# KiCad board poly_kb_wave_right_before_mirroring.kicad_pcb (continued)
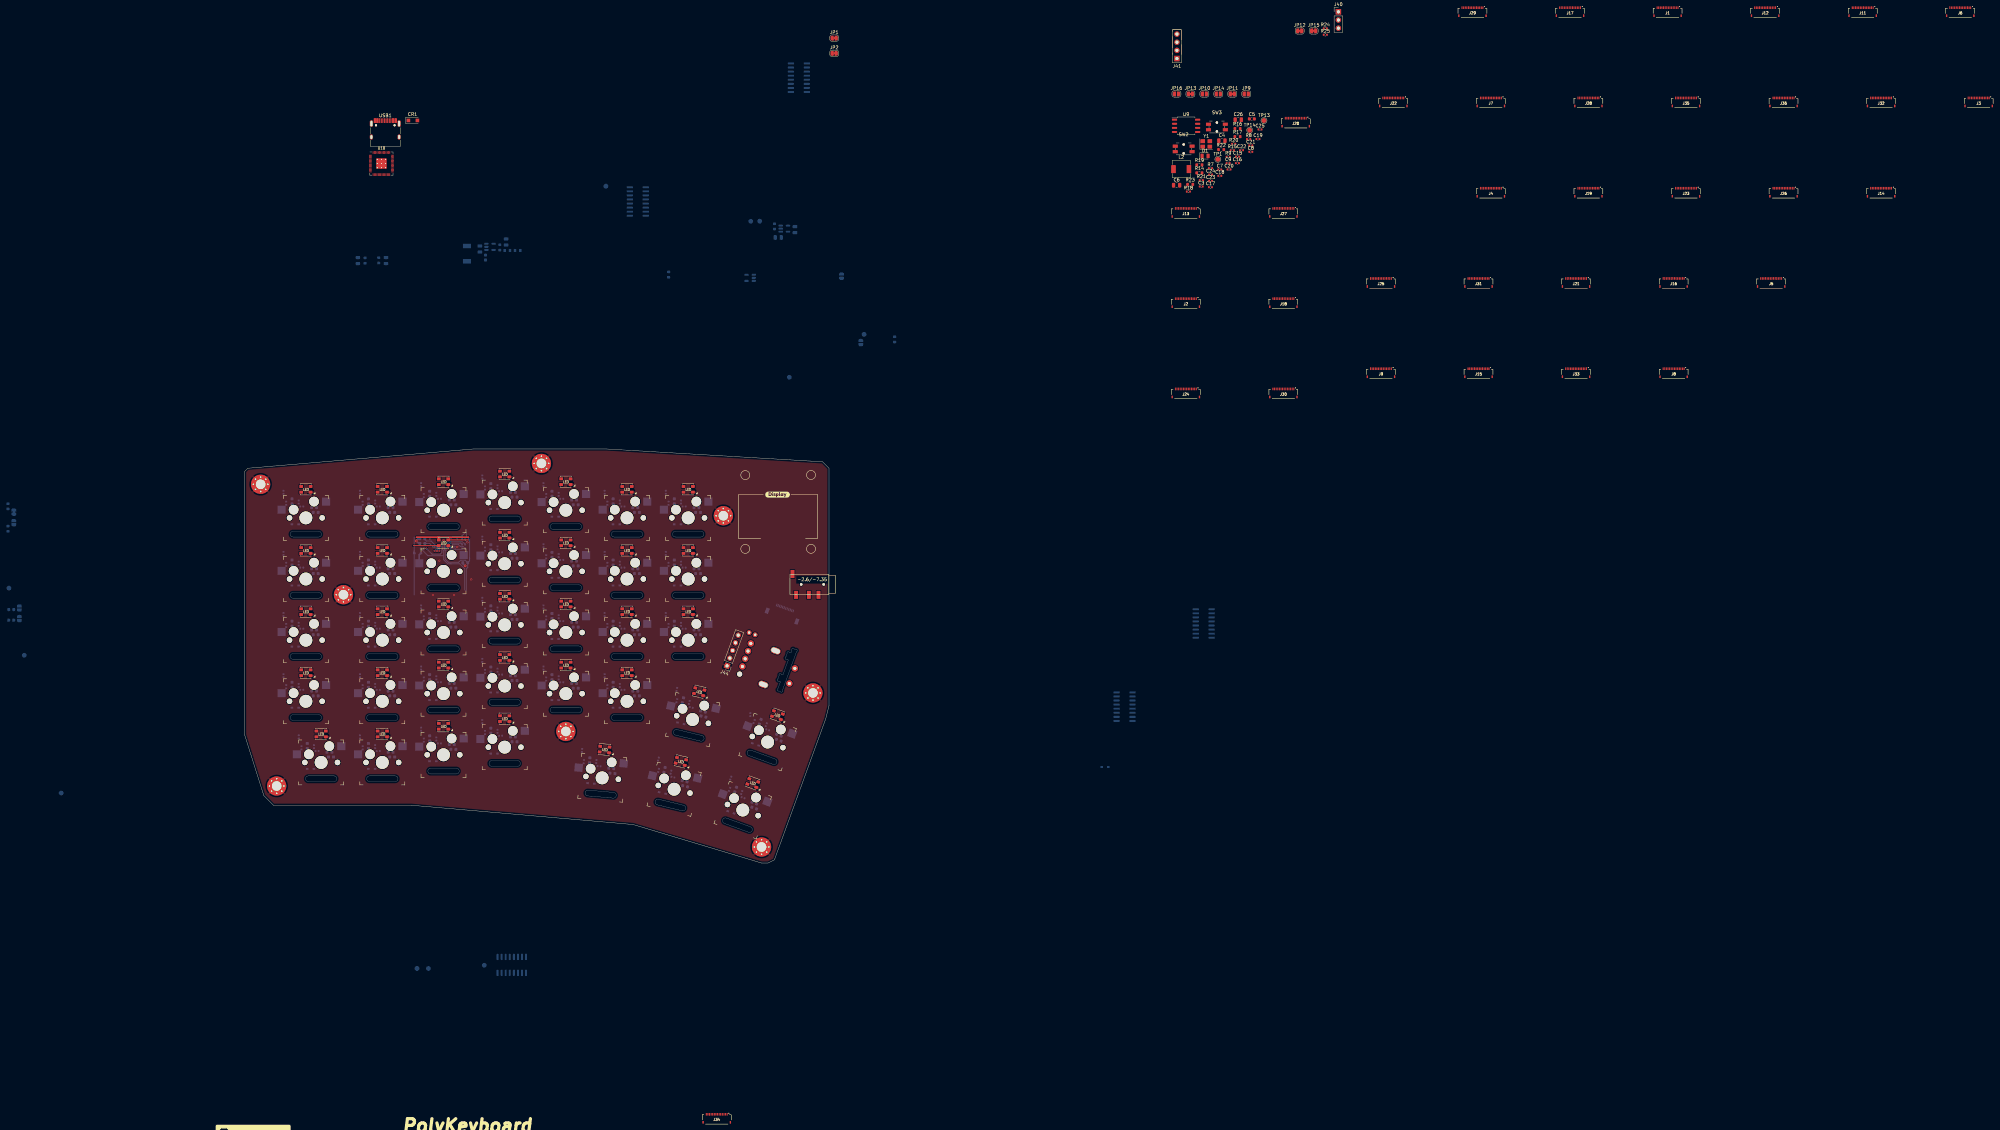
[diagram p0: board, top side]
## Nets (continued)
/K_X/C1N: C6_24.2 J24.5
/K_X/C1P: C6_24.1 J24.4
/K_X/C2N: C5_24.2 J24.3
/K_X/C2P: C5_24.1 J24.2
/K_X/CS: J24.8 R1_24.2 U7.2
/K_X/LED_DOUT: LED23.4 LED24.2
/K_X/VCOMH: C4_24.1 J24.13
/K_Z/C1N: C6_23.2 J23.5
/K_Z/C1P: C6_23.1 J23.4
/K_Z/C2N: C5_23.2 J23.3
/K_Z/C2P: C5_23.1 J23.2
/K_Z/CS: J23.8 R1_23.2 U7.1
/K_Z/VCOMH: C4_23.1 J23.13
/RpPico/GPIO6: JP9.2 R1.1 TP9.1 U10.8
/RpPico/GPIO7: JP10.2 R2.1 TP7.1 U10.9
/RpPico/GPIO24: R8.2 R15.1 U10.36
/RpPico/QSPI_SCLK: U9.6 U10.52
/RpPico/QSPI_SD0: U9.5 U10.53
/RpPico/QSPI_SD1: U9.2 U10.55
/RpPico/QSPI_SD2: U9.3 U10.54
/RpPico/QSPI_SD3: U9.7 U10.51
/RpPico/QSPI_SS: R20.2 R21.1 U9.1 U10.56
/RpPico/RUN: SW3.2 U10.26
/RpPico/SWCLK: J40.3 U10.24
/RpPico/SWD: J40.1 U10.25
/RpPico/USB_D+: R22.1 TP14.1
/RpPico/USB_D-: R23.1 TP1.1
/RpPico/XIN: C3.2 U10.20 Y1.1
/RpPico/XOUT: R19.2 U10.21
/RpPico/~{USB_BOOT}: R21.2 SW2.1
/ShiftRegisters/Carry1: U4.9 U5.14
/ShiftRegisters/Carry2: U5.9 U6.14
/ShiftRegisters/Carry3: U6.9 U7.14
/ShiftRegisters/Carry4: U7.9 U8.14
/ShiftRegisters/CarryOut: TP5.1 U8.9
/ShiftRegisters/Out1_8: U4.7
/ShiftRegisters/Out2_8: U5.7
/ShiftRegisters/Out3_8: U6.7
/ShiftRegisters/Out4_8: U7.7
Col1: D1_36.1 D12.1 SW1.C U10.13
Col2: D1_1.1 D1_8.1 D1_15.1 D1_22.1 D1_29.1 U10.14
Col3: D1_2.1 D1_9.1 D1_16.1 D1_23.1 D1_30.1 U10.15
Col4: D1_3.1 D1_10.1 D1_17.1 D1_24.1 D1_31.1 U10.16
Col5: D1_4.1 D1_11.1 D1_18.1 D1_25.1 D1_32.1 U10.17
Col6: D1_5.1 D1_12.1 D1_19.1 D1_26.1 D1_33.1 U10.18
Col7: D1_6.1 D1_13.1 D1_20.1 D1_27.1 D1_34.1 U10.27
Col8: D1_7.1 D1_14.1 D1_21.1 D1_28.1 D1_35.1 U10.5
D-C: J1.10 J2.10 J3.10 J4.10 J5.10 J6.10 J7.10 J8.10 J9.10 J10.10 J11.10 J12.10 J13.10 J14.10 J15.10 J16.10 J17.10 J18.10 J19.10 J20.10 J21.10 J22.10 J23.10 J24.10 J25.10 J26.10 J27.10 J28.10 J29.10 J30.10 J31.10 J32.10 J33.10 J34.10 J35.10 J36.10 JP6.2 TP11.1 U10.11
ENC_A: SW1.A U10.37
ENC_B: SW1.B U10.41
I2C_SCL: J41.3 J43.9 J44.3 R24.2 U10.3
I2C_SDA: J41.4 J43.10 J44.4 R25.2 U10.2
LED_ARR_START: LED7.4 U10.4
PICO_3V3: C5.1 C6.1 C9.1 C17.1 C18.1 C19.1 C20.1 C21.1 C22.1 C23.1 C24.1 C26.1 D1.2 J41.2 J43.12 J44.5 JP3.1 JP11.1 JP13.1 JP14.1 L2.2 R14.2 R20.1 R24.1 R25.1 TP13.1 U9.8 U10.1 U10.10 U10.22 U10.33 U10.42 U10.43 U10.44 U10.48 U10.49
RESET: J1.9 J2.9 J3.9 J4.9 J5.9 J6.9 J7.9 J8.9 J9.9 J10.9 J11.9 J12.9 J13.9 J14.9 J15.9 J16.9 J17.9 J18.9 J19.9 J20.9 J21.9 J22.9 J23.9 J24.9 J25.9 J26.9 J27.9 J28.9 J29.9 J30.9 J31.9 J32.9 J33.9 J34.9 J35.9 J36.9 JP5.2 TP12.1 U4.10 U5.10 U6.10 U7.10 U8.10 U10.12
Row1: SW_K_1.1 SW_K_2.1 SW_K_3.1 SW_K_4.1 SW_K_5.1 SW_K_6.1 SW_K_7.1 U10.29
Row2: SW_K_8.1 SW_K_9.1 SW_K_10.1 SW_K_11.1 SW_K_12.1 SW_K_13.1 SW_K_14.1 U10.30
Row3: SW_K_15.1 SW_K_16.1 SW_K_17.1 SW_K_18.1 SW_K_19.1 SW_K_20.1 SW_K_21.1 U10.31
Row4: SW_K_22.1 SW_K_23.1 SW_K_24.1 SW_K_25.1 SW_K_26.1 SW_K_27.1 SW_K_28.1 U10.32
Row5: SW_K_29.1 SW_K_30.1 SW_K_31.1 SW_K_32.1 SW_K_33.1 SW_K_34.1 SW_K_35.1 SW_K_36.1 U10.34
SCLK: J1.11 J2.11 J3.11 J4.11 J5.11 J6.11 J7.11 J8.11 J9.11 J10.11 J11.11 J12.11 J13.11 J14.11 J15.11 J16.11 J17.11 J18.11 J19.11 J20.11 J21.11 J22.11 J23.11 J24.11 J25.11 J26.11 J27.11 J28.11 J29.11 J30.11 J31.11 J32.11 J33.11 J34.11 J35.11 J36.11 JP8.2 JP9.1 R1.2
SDIN: J1.12 J2.12 J3.12 J4.12 J5.12 J6.12 J7.12 J8.12 J9.12 J10.12 J11.12 J12.12 J13.12 J14.12 J15.12 J16.12 J17.12 J18.12 J19.12 J20.12 J21.12 J22.12 J23.12 J24.12 J25.12 J26.12 J27.12 J28.12 J29.12 J30.12 J31.12 J32.12 J33.12 J34.12 J35.12 J36.12 JP7.2 JP10.1 R2.2
SERIAL_COM1: U10.6
SERIAL_COM2: U10.7
SPI0_CS_NC: U10.28
SR_CLOCK: TP8.1 U4.11 U5.11 U6.11 U7.11 U8.11 U10.39
SR_DATA: TP10.1 U4.14 U10.38
SR_LATCH: TP6.1 U4.12 U5.12 U6.12 U7.12 U8.12 U10.40
TB_INT: J44.2 U10.35
VLED: LED1.1 LED2.1 LED3.1 LED4.1 LED5.1 LED6.1 LED7.1 LED8.1 LED9.1 LED10.1 LED11.1 LED12.1 LED13.1 LED14.1 LED15.1 LED16.1 LED17.1 LED18.1 LED19.1 LED20.1 LED21.1 LED22.1 LED23.1 LED24.1 LED25.1 LED26.1 LED27.1 LED28.1 LED29.1 LED30.1 LED31.1 LED32.1 LED33.1 LED34.1 LED35.1 LED36.1
VSYS: C4.1 CR1.1 JP1.1 JP4.1 JP15.2 U1.1 U1.4
Net-(C1-Pad1): C1.1 JP7.1
Net-(C2-Pad1): C2.1 JP8.1
Net-(C5-Pad2): C5.2 R14.1 R17.2 U1.5
Net-(C7-Pad2): C7.2 R18.1
Net-(C8-Pad2): C8.2 R19.1 Y1.3
Net-(C10-Pad1): C10.1 JP1.2 U2.4
Net-(C11-Pad1): C11.1 C12.1 D6.2 JP2.1 L1.2 R10.2
Net-(C11-Pad2): C11.2 R11.1 R12.2 U2.5
Net-(C13-Pad1): C13.1 JP11.2 U3.5
Net-(C14-Pad1): C14.1 D5.2 JP12.1 U3.1
Net-(D1-Pad1): D1.1 R16.2
Net-(D1_1-Pad2): D1_1.2 SW_K_1.2
Net-(D1_2-Pad2): D1_2.2 SW_K_2.2
Net-(D1_3-Pad2): D1_3.2 SW_K_3.2
Net-(D1_4-Pad2): D1_4.2 SW_K_4.2
Net-(D1_5-Pad2): D1_5.2 SW_K_5.2
Net-(D1_6-Pad2): D1_6.2 SW_K_6.2
Net-(D1_7-Pad2): D1_7.2 SW_K_7.2
Net-(D1_8-Pad2): D1_8.2 SW_K_8.2
Net-(D1_9-Pad2): D1_9.2 SW_K_9.2
Net-(D1_10-Pad2): D1_10.2 SW_K_10.2
Net-(D1_11-Pad2): D1_11.2 SW_K_11.2
Net-(D1_12-Pad2): D1_12.2 SW_K_12.2
Net-(D1_13-Pad2): D1_13.2 SW_K_13.2
Net-(D1_14-Pad2): D1_14.2 SW_K_14.2
Net-(D1_15-Pad2): D1_15.2 SW_K_15.2
Net-(D1_16-Pad2): D1_16.2 SW_K_16.2
Net-(D1_17-Pad2): D1_17.2 SW_K_17.2
Net-(D1_18-Pad2): D1_18.2 SW_K_18.2
Net-(D1_19-Pad2): D1_19.2 SW_K_19.2
Net-(D1_20-Pad2): D1_20.2 SW_K_20.2
Net-(D1_21-Pad2): D1_21.2 SW_K_21.2
Net-(D1_22-Pad2): D1_22.2 SW_K_22.2
Net-(D1_23-Pad2): D1_23.2 SW_K_23.2
Net-(D1_24-Pad2): D1_24.2 SW_K_24.2
Net-(D1_25-Pad2): D1_25.2 SW_K_25.2
Net-(D1_26-Pad2): D1_26.2 SW_K_26.2
Net-(D1_27-Pad2): D1_27.2 SW_K_27.2
Net-(D1_28-Pad2): D1_28.2 SW_K_28.2
Net-(D1_29-Pad2): D1_29.2 SW_K_29.2
Net-(D1_30-Pad2): D1_30.2 SW_K_30.2
Net-(D1_31-Pad2): D1_31.2 SW_K_31.2
Net-(D1_32-Pad2): D1_32.2 SW_K_32.2
Net-(D1_33-Pad2): D1_33.2 SW_K_33.2
Net-(D1_34-Pad2): D1_34.2 SW_K_34.2
Net-(D1_35-Pad2): D1_35.2 SW_K_35.2
Net-(D1_36-Pad2): D1_36.2 SW_K_36.2
Net-(D5-Pad1): D5.1 R5.2
Net-(D6-Pad1): D6.1 R6.2
Net-(D12-Pad2): D12.2 SW1.S2
Net-(J42-PadT): JP15.1 JP16.1
Net-(JP3-Pad2): JP3.2 U2.1
Net-(JP5-Pad1): JP5.1 R3.2
Net-(JP6-Pad1): JP6.1 R4.2
Net-(JP13-Pad2): JP13.2 U3.4
Net-(L1-Pad1): L1.1 U2.3
Net-(L2-Pad1): L2.1 U1.3
Net-(R7-Pad2): R7.2
Net-(R9-Pad2): R9.2
Net-(R10-Pad1): R10.1 R11.2
Net-(R13-Pad1): R13.1 U3.3
Net-(R22-Pad2): R22.2 U10.47
Net-(R23-Pad2): R23.2 U10.46

Pads without a net: J1 MP; J2 MP; J3 MP; J4 MP; J5 MP; J6 MP; J7 MP; J8 MP; J9 MP; J10 MP; J11 MP; J12 MP; J13 MP; J14 MP; J15 MP; J16 MP; J17 MP; J18 MP; J19 MP; J20 MP; J21 MP; J22 MP; J23 MP; J24 MP; J25 MP; J26 MP; J27 MP; J28 MP; J29 MP; J30 MP; J31 MP; J32 MP; J33 MP; J34 MP; J35 MP; J36 MP; J42 1 2 3 4; J43 0 1 2 3 4 5 6 7 8; USB1 A1 A4 A5 A6 A7 A8 A9 A12 B1 B4 B5 B6 B7 B8 B9 B12 S1

## Via types
v1: diameter 0.61, hole 0.305, Top to Bottom, 12 vias
v2: diameter 0.8, hole 0.4, Top to Bottom, 2 vias

## Routing (per net, layer and track width the routed paths; a pad name or vN(x,y) marks a point on that pad's centre or on a via; arc(x,y) is an arc through that point)
/K_W/VCC: length 3.3
  Bottom w0.3: 58.7,98.51 57.68,99.53 55.87,99.53
GND: length 6.2
  Bottom w0.3: 65.2,98.51 66.27,98.51 v1(66.27,98.51) ; v1(69.42,99.91) 68.71,100.62 C3_10.2
  Bottom w0.5: v2(68.7,92.59) 67.94,93.35 C2_10.2 ; 54.32,99.53 v2(53.51,100.33) 53.51,100.49 54.08,101.05 C4_10.2
  vias: v1(58.65,83.53) v1(60.68,94.19) v1(61.95,100.54) v1(65.25,83.53) v1(70.59,88.35)
VBAT: length 30.9
  Bottom w0.3: 70.08,94.66 70.08,94.96 ; 70.08,94.96 70.08,94.15 C2_10.1 ; 70.08,94.96 70.08,100.8 69.06,101.81 69.06,102.83 ; C2_10.1 68.71,94.34 67.31,94.34 66.65,93.69 63.47,93.69 62.46,94.7 62.46,97.24 62.7,97.48 62.7,98.51 ; C2_10.1 69.49,92.08 69.06,91.65 69.06,85.05
VDD: length 36.4
  Bottom w0.3: 64.04,93.23 63.29,93.23 62.01,94.52 62.01,95.77 ; 64.04,93.23 64.43,93.23 ; 64.04,93.23 66.97,93.23 68.55,91.65 68.55,85.05 ; R1_10.1 57.07,95.77 62.01,95.77 ; 62.01,95.77 62.01,97.43 62.2,97.62 62.2,99.02 64.9,101.71 67.64,101.71 67.75,101.61 ; 67.75,101.61 C3_10.1 ; 67.75,101.61 67.75,102.02 68.55,102.83
/K_E/LED_DOUT: length 6.4
  Top w0.3: LED10.4 69.83,100.65
/K_Q/LED_DIN: length 8
  Top w0.3: 60.49,98.96 60.49,98.87 52.57,98.87
/K_W/C1N: length 7
  Bottom w0.3: 63.2,98.51 63.2,99.31 64.01,100.12 67.86,100.12 C6_10.2
/K_W/C1P: length 5.1
  Bottom w0.3: C6_10.1 67.35,99.67 64.2,99.67 63.7,99.17 63.7,98.51
/K_W/C2N: length 4.3
  Bottom w0.3: C5_10.2 67.49,97.75 65.76,97.75 65.7,97.81 64.25,97.81 64.2,97.86 64.2,98.51
/K_W/C2P: length 5.2
  Bottom w0.3: C5_10.1 68.05,98.66 67.13,98.66 66.58,99.21 64.7,99.21 64.7,99.21 64.7,98.51
/K_W/CS: length 12
  In1.Cu w0.3: v1(56.62,98) 53.06,98
  Bottom w0.3: R1_10.2 v1(56.62,98) 58.39,96.23 60.93,96.23 61.44,96.73 61.44,97.5 61.7,97.76 61.7,98.51
/K_W/VCOMH: length 4.8
  Bottom w0.3: 59.2,98.51 59.2,99.21 58.1,100.31 56.61,100.31 55.87,101.05
Col4: length 18.6
  Bottom w0.3: 52.81,96.73 52.81,101.55 ; 52.81,96.73 52.81,97.28 ; 52.81,96.73 52.81,83.52
D-C: length 25
  In1.Cu w0.3: 54.58,82.26 54.58,94.19 56.11,95.72 59.92,95.72 60.68,96.48 v1(60.68,97.24) 60.68,99.02 59.16,100.54
  Bottom w0.3: 60.7,98.51 60.7,97.26 v1(60.68,97.24)
RESET: length 28.4
  In1.Cu w0.3: 68.81,101.31 67.03,99.53 v1(61.59,99.53) 61.7,99.43 61.7,94.7 62.71,93.69 63.73,93.69 65.25,92.16 65.25,89.11 68.55,85.81 68.55,83.78
  Bottom w0.3: 61.2,98.51 61.2,99.14 v1(61.59,99.53)
SCLK: length 24.4
  In1.Cu w0.3: 58.39,100.04 59.92,98.51 v1(59.92,97.24) 59.92,96.99 59.41,96.48 55.85,96.48 53.82,94.45 53.82,82.26
  Bottom w0.3: v1(59.92,97.24) 59.92,97.34 60.2,97.62 60.2,98.51
SDIN: length 24.3
  In1.Cu w0.3: 53.06,82.26 53.06,94.7 55.6,97.24 v1(59.16,97.24) 59.16,98.26 57.63,99.78
  Bottom w0.3: v1(59.16,97.24) 59.16,97.34 59.7,97.88 59.7,98.51
VLED: length 17.5
  Top w0.5: 60.49,100.65 60.49,101.25 ; 60.73,101.51 69.77,101.51 ; 60.73,101.51 53.51,101.51 ; 60.73,101.51 60.12,101.51
Net-(D1_10-Pad2): length 3.3
  Bottom w0.5: SW_K_10.2 54.39,96 54.87,96.48

## Copper pours and planes (outline as drawn; the poured copper is in the pictures)
GND on Top, Bottom, In1.Cu, In2.Cu: -15.01,-8.17 200.89,-8.17 200.89,139.15 -15.01,139.15

## Text on the board
Edge.Cuts: -2.6/-7.35
F.Silkscreen: L | E | D | by thpoll | Wave | PolyKeyboard
